# Altium PCB Printing.PcbDoc (part 4 of 5)
Units mil, origin at the board's own origin, x right, y up, seen from the top; angles counter-clockwise.
Board outline 7490 x 7700 mil, 4 copper layers (Top Layer, 5v/3.3V, 24V, Bottom Layer), stack 23.756 mil thick; 442 components, 334 nets, 1379 pads, 508 vias.
Unrouted connection lines stored in the file: 151.
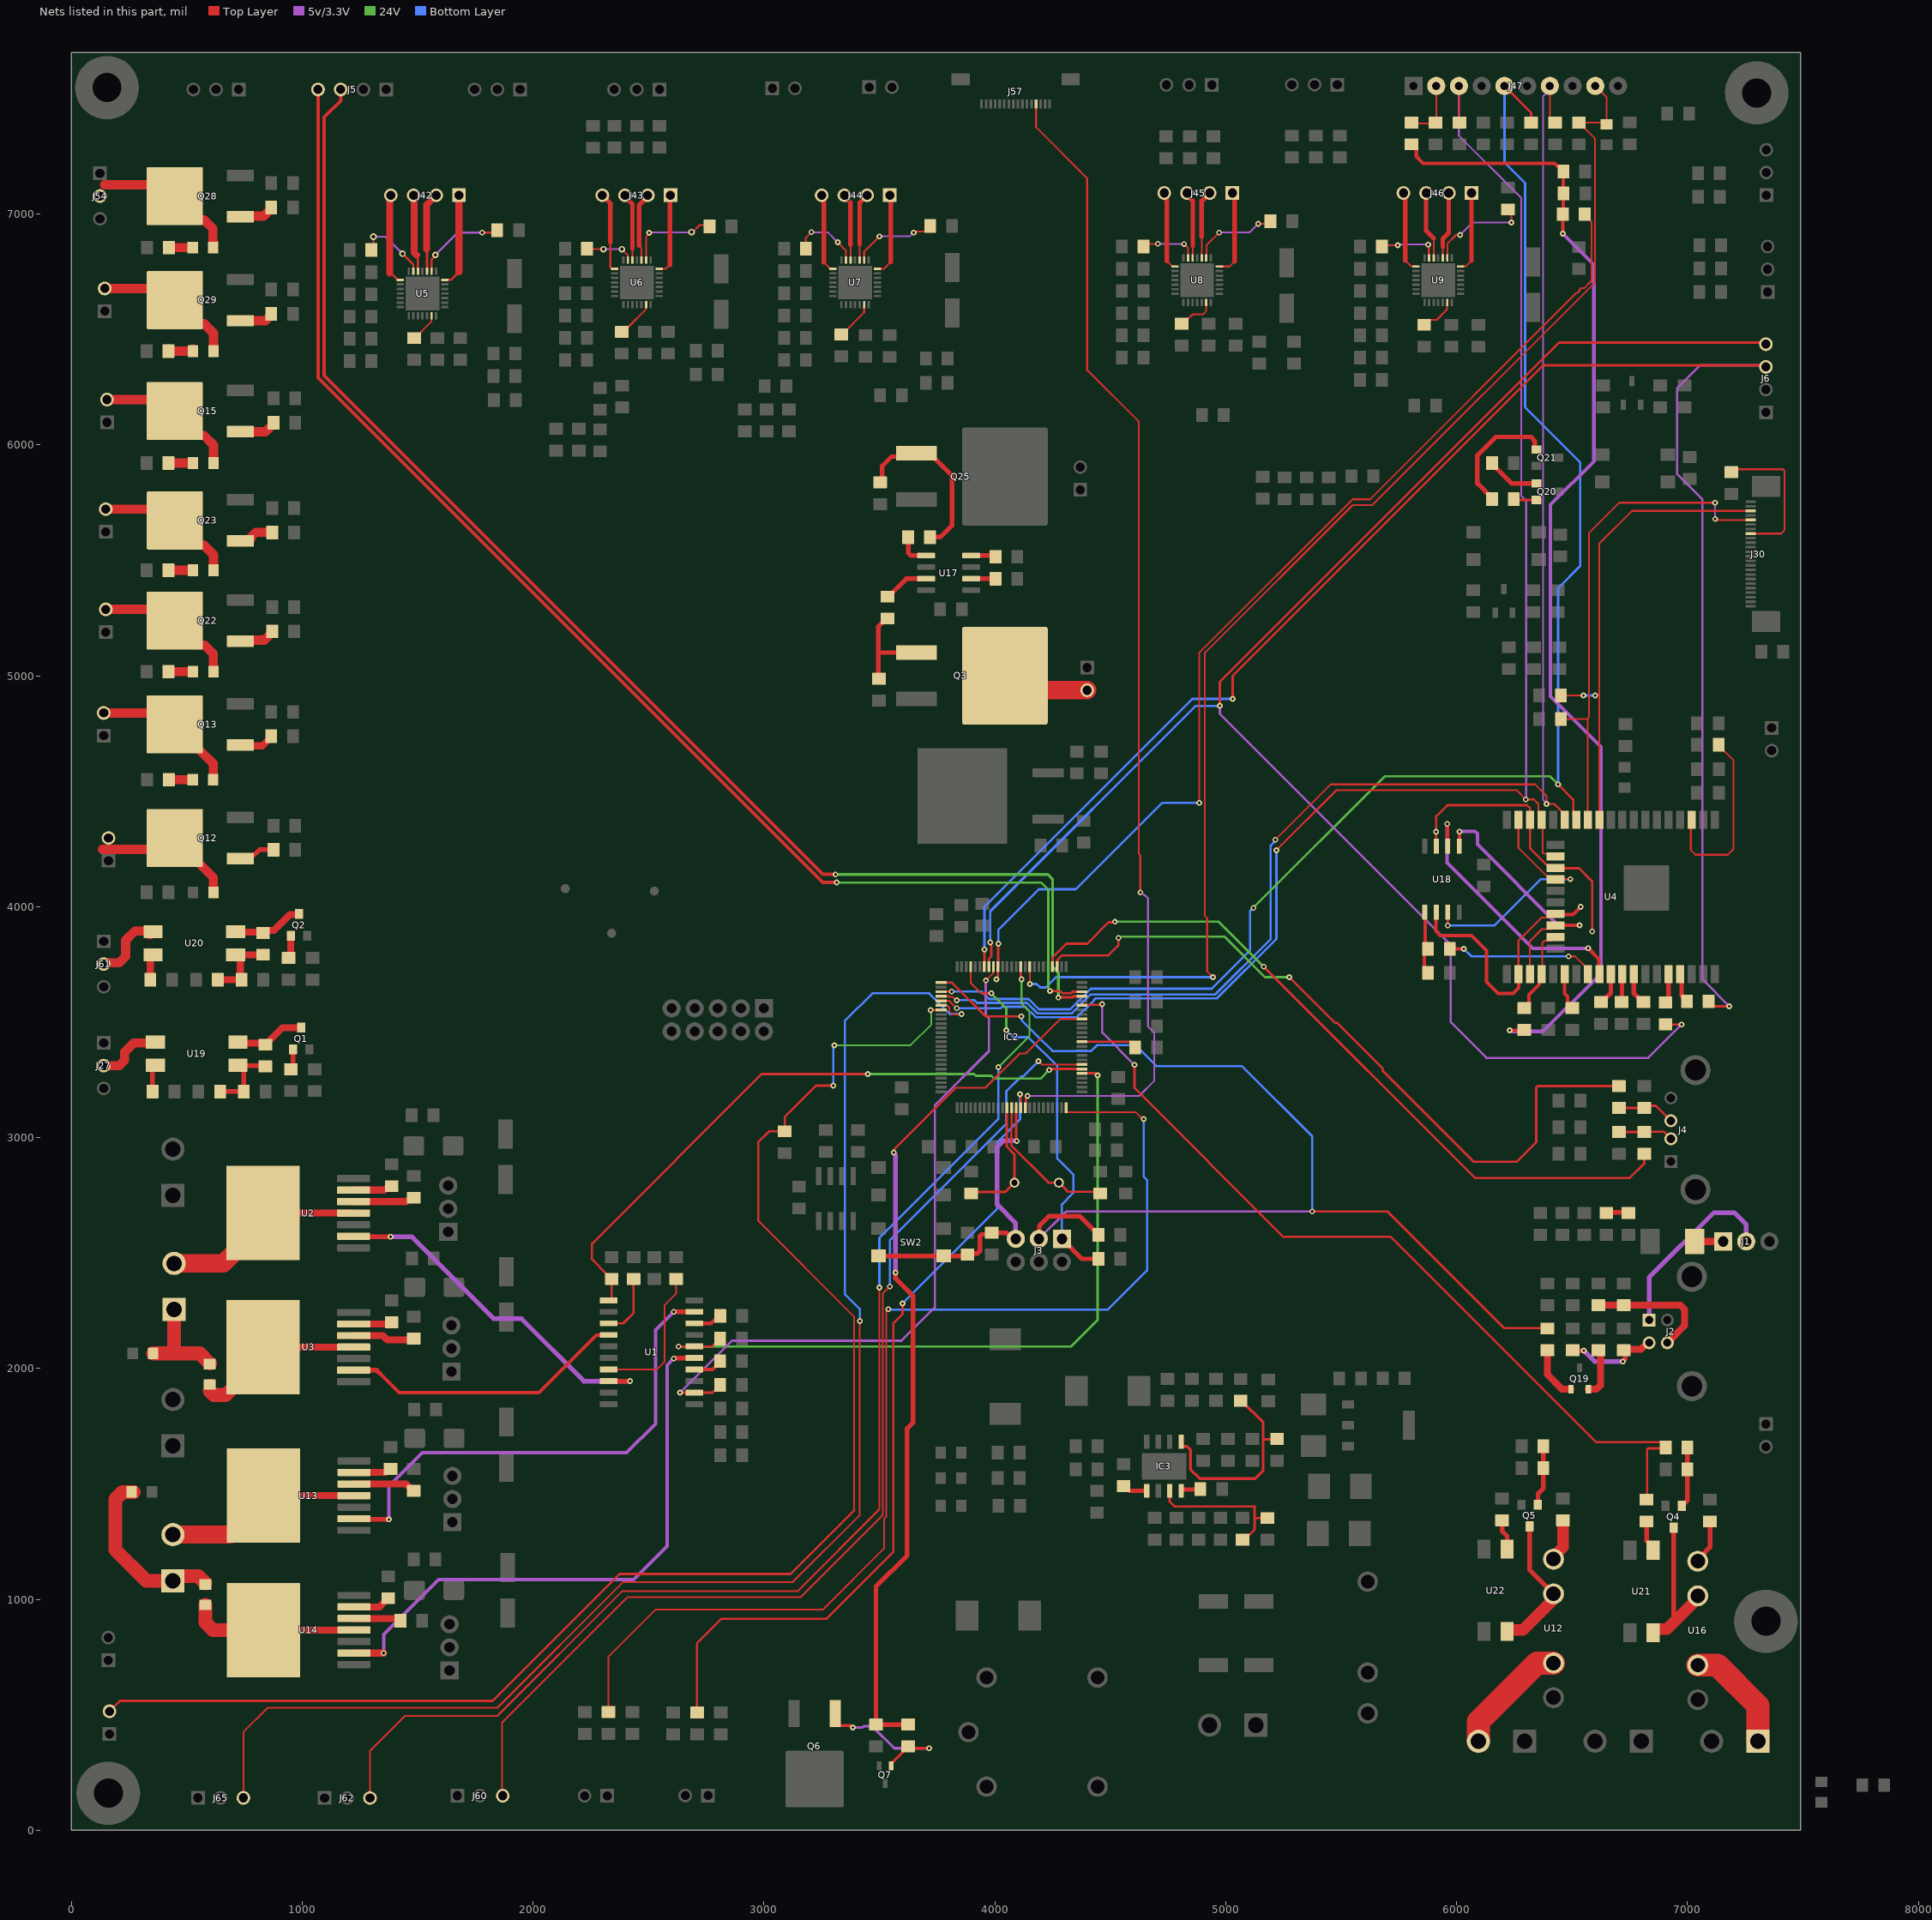
[diagram p6: the nets of this part, all layers, seen from the top]

## Via types
v1: diameter 25, hole 12, Top Layer to Bottom Layer, tented both sides, 482 vias
v2: diameter 19.68, hole 11.81, Top Layer to Bottom Layer, 15 vias
v3: diameter 28, hole 14, Top Layer to Bottom Layer, tented both sides, 9 vias
v4: diameter 24, hole 12, Top Layer to Bottom Layer, tented both sides, 2 vias

## Nets (pads, with @x,y where several pads share a name; then routed paths per layer and width w, separated by ;. In a path a pad name is that pad's centre, name@x,y a point inside that pad or via, vN(x,y) a via of type N, cw(c..) or ccw(c..) an arc to the next point about the centre after c; other vN are vias at no path point) (continued)
NetD18_K: D18.K J28.2 Q12.TAB | length 599
  Top Layer w40: 135,4248.43 140,4248.43 398.57,4248.43 Q12.TAB@448.01,4297.87 ; Q12.TAB@473.47,4268.47 615,4126.94 D18.K@615,4087.29 ; D18.K@615,4062 D18.K@615,4087.29 ; D18.K@615.29,4087 D18.K@615,4087.29
NetD19_A: D19.A R185.1 | length 103.5
  Top Layer w40: R185.1@422.24,4550 D19.A@525.71,4550
NetD19_K: D19.K J29.2 Q13.TAB | length 618.4
  Top Layer w40: J29.2@140,4839.21 398.56,4839.21 Q13.TAB@448.01,4789.77 448.01,4785.83 590.41,4643.43 591.57,4643.43 615,4620 615,4570.71 D19.K@614.29,4570
NetD20_A: D20.A R193.1 | length 106.5
  Top Layer w40: R193.1@420.24,5922 D20.A@526.71,5922
NetD20_K: D20.K J31.2 Q15.TAB | length 612.7
  Top Layer w40: J31.2@154.23,6196.76 398.41,6196.76 Q15.TAB@448.01,6147.17 448.01,6143.23 550.06,6041.18 573.82,6041.18 615.29,5999.71 D20.K@615.29,5932
NetD21_A: D21.A R194.1 | length 106.5
  Top Layer w40: R194.1@420.24,5018.35 D21.A@526.71,5018.35
NetD21_K: D21.K J32.2 Q22.TAB | length 601.3
  Top Layer w40: J32.2@172.66,5288.1 399.19,5288.1 Q22.TAB@448.01,5239.28 448.01,5235.35 550.06,5133.3 576.7,5133.3 615,5095 D21.K@615,5018.35
NetD22_A: D22.A R195.1 | length 103.5
  Top Layer w40: R195.1@422.24,6855 D22.A@525.71,6855
NetD22_K: D22.K J54.2 Q28.TAB | length 609.2
  Top Layer w40: 144.23,7127.39 398.8,7127.39 Q28.TAB@448.01,7078.18 448.01,7077.05 550.06,6975 575,6975 612.65,6937.35 612.65,6879.64 D22.K@615.29,6877
NetD23_A: D23.A R196.1 | length 106.9
  Top Layer w40: R196.1@420.24,6417 R196.1@420.74,6416.5 ; R196.1@420.74,6406.5 D23.A@526.21,6406.5 ; D23.A@526.21,6416.5 D23.A@526.71,6416
NetD23_K: D23.K J52.2 Q29.TAB | length 620.3
  Top Layer w40: J52.2@144.23,6677.87 398.01,6677.87 Q29.TAB@448.01,6627.87 448.01,6627.05 550.06,6525 575,6525 615.29,6484.71 D23.K@615.29,6416
NetD24_A: D24.A R197.1 | length 106.5
  Top Layer w40: R197.1@420.24,5457 D24.A@526.71,5457
NetD24_K: D24.K J33.2 Q23.TAB | length 617.9
  Top Layer w40: J33.2@149.23,5722.24 399.19,5722.24 Q23.TAB@448.01,5673.42 448.01,5669.48 550.06,5567.43 572.57,5567.43 615.29,5524.71 D24.K@615.29,5457
NetF1_2: F1.2 J1.1 | length 125.7
  Top Layer w30: F1.2@7033.33,2551.67 F1.2@7031.65,2550 J1.1@7155,2550
NetJ1_2: J1.2 J2.1 | length 816.6
  5v/3.3V w20: J2.1@6834.26,2209.43 6834.26,2394.26 7115,2675 7203.28,2675 7255,2623.28 J1.2@7255,2550
NetJ11_2: J11.2 Q3.TAB | length 382.2
  Top Layer w80: Q3.TAB@4043.86,5000.6 4106.89,4937.57 J11.2@4400,4937.57
NetJ12_1: J12.1 U16.2 | length 487.5
  Top Layer w100: U16.2@7045,715 7130,715 7305,540 J12.1@7305,385
NetJ19_2: J19.2 U12.2 | length 515.2
  Top Layer w100: J19.2@6095,385 6095,470 6348.24,723.24 6419.24,723.24 U12.2@6420,724
NetJ27_2: J27.2 U19.3 | length 286.6
  Top Layer w40: J27.2@140,3311.57 206.57,3311.57 230,3335.01 230,3370 270,3410 360.13,3410 U19.3@363.83,3413.7
NetJ30_17: J30.17 R32.1 | length 656.4
  Top Layer w8: R32.1@7190,5872.24 7212.76,5895 7415.31,5895 7420,5890.31 7420,5630 7406.46,5616.46 J30.17@7273.76,5616.46
  Top Layer w10: R32.1@7188,5880.24 R32.1@7190,5882.24
NetJ42_1: J42.1 U5.21 | length 407.9
  Top Layer w10: U5.21@1617.09,6715.46 1644.54,6715.46 1678.9,6749.82
  Top Layer w30: 1678.9,6749.82 J42.1@1678.9,7081.72
NetJ42_2: J42.2 U5.24 | length 351.1
  Top Layer w10: 1539.41,6848.33 1540.31,6847.43 U5.24@1540.31,6752.86
  Top Layer w30: 1539.41,6848.33 1539.41,7040.65 J42.2@1583.88,7085.13
NetJ42_3: J42.3 U5.26 | length 344.6
  Top Layer w10: 1489.41,6828.33 1500.63,6817.11 1500.63,6753.17 U5.26@1500.94,6752.86
  Top Layer w30: J42.3@1482.05,7081.72 1484.41,7079.35 1484.41,6833.33 1495.02,6822.72
NetJ42_4: J42.4 U5.1 | length 395.6
  Top Layer w10: 1379.41,6744.79 1384.21,6744.79 1413.54,6715.46 U5.1@1424.17,6715.46
  Top Layer w30: 1379.41,6744.79 1379.41,7077.5 J42.4@1383.62,7081.72
NetJ43_1: J43.1 U6.21 | length 355.1
  Top Layer w8: U6.21@2546.3,6763.21 2574.29,6763.21 2592.41,6781.33
  Top Layer w20: 2592.41,6781.33 2592.41,7079.01 J43.1@2595.12,7081.72
NetJ43_2: J43.2 U6.24 | length 300.9
  Top Layer w8: 2459.41,6863.33 2469.53,6853.21 U6.24@2469.53,6800.61 U6.24@2469.41,6800.73 ; J43.2@2496.69,7077.1 J43.2@2496.69,7081.72
  Top Layer w20: 2459.41,6863.33 2459.41,7039.81 J43.2@2496.69,7077.1
NetJ43_3: J43.3 U6.26 | length 294.3
  Top Layer w8: U6.26@2430.16,6800.61 2430.16,6851.33
  Top Layer w20: J43.3@2398.27,7081.72 2398.27,7075.05 2430.16,7043.16 2430.16,6851.33
NetJ43_4: J43.4 U6.1 | length 348.3
  Top Layer w8: 2334.41,6879.33 2334.41,6769.21 2339.1,6764.53 2352.07,6764.53 U6.1@2353.39,6763.21
  Top Layer w20: J43.4@2299.84,7081.72 2334.41,7047.15 2334.41,6879.33
NetJ44_1: J44.1 U7.21 | length 361
  Top Layer w8: U7.21@3491.1,6763.21 3519.29,6763.21 3549.41,6793.33 ; J44.1@3545.04,7081.72 J44.1@3549.41,7077.35
  Top Layer w20: 3549.41,6793.33 J44.1@3549.41,7077.35
NetJ44_2: J44.2 U7.24 | length 294.5
  Top Layer w8: U7.24@3414.33,6800.61 3414.33,6870.33
  Top Layer w20: 3414.33,6870.33 3414.33,7049.43 J44.2@3446.61,7081.72
NetJ44_3: J44.3 U7.26 | length 292.2
  Top Layer w8: U7.26@3374.96,6800.61 3374.96,6868.33
  Top Layer w20: J44.3@3348.19,7081.72 3348.19,7076.31 3374.96,7049.54 3374.96,6868.33
NetJ44_4: J44.4 U7.1 | length 344.8
  Top Layer w8: J44.4@3249.76,7081.72 J44.4@3259.41,7072.07 ; 3259.41,6791.36 3287.56,6763.21 U7.1@3298.19,6763.21
  Top Layer w20: 3259.41,6791.36 J44.4@3259.41,7072.07
NetJ45_1: J45.1 U8.21 | length 375
  Top Layer w8: U8.21@4972.8,6773.21 5016.29,6773.21 5038.41,6795.33 ; J45.1@5029.09,7091.72 J45.1@5038.41,7082.4
  Top Layer w20: 5038.41,6795.33 J45.1@5038.41,7082.4
NetJ45_2: J45.2 U8.24 | length 295.5
  Top Layer w8: U8.24@4896.02,6810.61 4896.02,6902.33
  Top Layer w20: 4896.02,6902.33 4896.02,7057.07 J45.2@4930.67,7091.72
NetJ45_3: J45.3 U8.26 | length 291.8
  Top Layer w8: U8.26@4856.65,6810.61 4857.41,6811.37 4857.41,6862.33
  Top Layer w20: J45.3@4832.24,7091.72 4832.24,7081.58 4857.41,7056.42 4857.41,6862.33
NetJ45_4: J45.4 U8.1 | length 347.5
  Top Layer w8: J45.4@4733.82,7091.72 J45.4@4745.78,7079.75 ; 4745.78,6796.96 4767.94,6774.8 4767.94,6774.53 4769.25,6773.21 U8.1@4779.88,6773.21
  Top Layer w20: 4745.78,6796.96 4745.78,7060.32 4741.35,7064.75 4741.35,7075.32 J45.4@4745.78,7079.75
NetJ46_1: J46.1 U9.21 | length 351.5
  Top Layer w8: U9.21@6016.89,6773.21 6017.43,6773.76 6039.83,6773.76 6064.92,6798.84
  Top Layer w20: 6064.92,6798.84 J46.1@6064.92,7091.72
NetJ46_2: J46.2 U9.24 | length 292
  Top Layer w8: U9.24@5940.12,6810.61 5940.12,6859.33
  Top Layer w20: 5940.12,6859.33 5940.12,6893.04 5966.5,6919.42 J46.2@5966.5,7091.72
NetJ46_3: J46.3 U9.26 | length 294.6
  Top Layer w8: U9.26@5900.75,6810.61 5900.75,6894.99
  Top Layer w20: J46.3@5868.07,7091.72 5868.07,6927.67 5900.75,6894.99
NetJ46_4: J46.4 U9.1 | length 352.4
  Top Layer w8: J46.4@5769.65,7091.72 J46.4@5778.41,7082.95 ; 5778.41,6799.33 5803.53,6774.21 5822.97,6774.21 U9.1@5823.98,6773.21
  Top Layer w20: 5778.41,6799.33 J46.4@5778.41,7082.95
NetJ47_2: J47.2 R29.1 R175.2 | length 267.3
  Top Layer w8: R175.2@5805.35,7392.68 5908.61,7392.68 5912.16,7396.22 J47.2@5912.16,7555.28
NetJ61_2: J61.2 U20.3 | length 347.3
  Top Layer w40: J61.2@140,3751.57 145.62,3757.19 207.19,3757.19 235,3785 235,3855 275,3895 350.6,3895 U20.3@353.83,3891.77 U20.3@340.49,3878.42 ; U20.3@330.37,3891.77 U20.3@343.17,3891.77
NetL2_2: L2.2 R13.1 | length 105.9
  Top Layer w20: R13.1@6638.04,2675.96 L2.2@6743.94,2675.96
NetP2_1: P2.1 SB1.1 SB2.2 | length 455.7
  Top Layer w50: SB1.1@600,2019.29 SB1.1@600,2021.06
  Top Layer w60: SB2.2@354.29,2065 445,2065 ; P2.1@445,2255 445,2065 ; SB1.1@600,2021.06 556.06,2065 445,2065
NetP2_2: P2.2 U2.4 U2.8 | length 1088.1
  Top Layer w30: U2.8@829.79,2672.68 U2.4@1221.91,2672.68
  Top Layer w40: U2.8@732.01,2529.04 738.23,2535.26 829.79,2626.82 U2.8@829.79,2672.68
  Top Layer w50: U2.8@721.52,2518.55 U2.8@721.52,2551.98
  Top Layer w78.74: P2.2@435,2455 657.97,2455 U2.8@721.52,2518.55
  Top Layer w100: U2.8@721.52,2551.98 829.79,2660.24 U2.8@829.79,2672.68
NetP5_1: P5.1 SB3.1 SB4.2 | length 773.5
  Top Layer w50: P5.1@440,1080 P5.1@460,1100 ; SB3.1@580,1064.29 SB3.1@580,1070.71
  Top Layer w60: SB4.2@270,1464.41 221.77,1464.41 190.12,1432.76 190.12,1214.88 325,1080 P5.1@430,1080 ; P5.1@460,1100 550.71,1100 SB3.1@580,1070.71
NetP5_2: P5.2 U13.4 U13.8 | length 869
  Top Layer w30: U13.8@688.49,1280 831.76,1423.27 U13.8@831.76,1449.06 U13.4@1223.88,1449.06
  Top Layer w78.74: P5.2@440,1280 U13.8@688.49,1280
NetQ1_1: Q1.1 R62.2 | length 89.8
  Top Layer w20: R62.2@950.84,3296.01 960.57,3305.73 Q1.1@960.57,3381.76
NetQ1_3: Q1.3 R157.2 U19.2 | length 319.2
  Top Layer w30: U19.2@721.32,3413.7 726.82,3408.2 R157.2@849.65,3408.2 ; R157.2@840.21,3402.7 844.15,3402.7 854.74,3413.29 854.74,3417.23 913.76,3476.24 Q1.3@996,3476.24
NetQ2_1: Q2.1 R133.2 | length 103.7
  Top Layer w30: R133.2@925.45,3778.01 R133.2@929.39,3778.01 ; R133.2@940.84,3778.01 950.57,3787.73 Q2.1@950.57,3873.76
NetQ2_3: Q2.3 R158.2 U20.2 | length 301.1
  Top Layer w30: U20.2@700.65,3891.77 703.19,3889.22 R158.2@811.09,3889.22 ; R158.2@830.21,3886.67 840.8,3897.26 877.26,3897.26 945.88,3965.88 983.63,3965.88 Q2.3@986,3968.24
NetQ3_1: Q3.1 R27.2 R31.2 | length 436.6
  Top Layer w20: R31.2@3498,4987.24 3495,4990.24 3495,5212.69 3531.06,5248.76 R27.2@3535,5248.76 ; 3505,5101 Q3.1@3660,5101
NetQ4_1: Q4.1 R176.2 R177.1 | length 265.2
  Top Layer w20: Q4.1@6976,1405 6976,1408.94 6983.72,1416.65 6987.65,1416.65 7000.24,1429.24 R177.1@7000.24,1562 ; R177.1@7000.24,1563 6999.24,1564 6999.24,1657 R176.2@7000.24,1658
NetQ4_3: Q4.3 U16.3 U21.4 | length 692.7
  Top Layer w20: 6940.57,901.57 Q4.3@6940.57,1310.51
  Top Layer w50: U21.4@6851,855.26 6851,867.06 6854.35,870.41 6911.41,870.41 6941.57,900.57 U16.3@7060,1019
NetQ5_1: Q5.1 R189.2 R190.1 | length 234.9
  Top Layer w20: Q5.1@6352.43,1410 6352.43,1457.43 6376.24,1481.24 6376.24,1540 R189.2@6376.24,1635
NetQ5_3: Q5.3 U12.3 U22.4 | length 612.9
  Top Layer w20: Q5.3@6317,1315.51 6317,1127 6412.24,1031.76 U12.3@6412.24,1016.24
  Top Layer w50: U22.4@6219,860.26 6219,864.06 6222.35,867.41 6287.41,867.41 6412.24,992.24 U12.3@6412.24,1016.24
NetQ6_1: Q6.1 Q7.1 R123.2 | length 703.2
  Top Layer w12: Q6.1@3308.43,505 3308.43,471.78 3327.03,453.18 3373.31,453.18 3381.48,445 v1(3385,445) ; Q7.1@3550.59,278.19 3550.59,287.83 3601.47,338.72 3601.47,343.17 3621.06,362.76 R123.2@3625,362.76 3632.76,355 v1(3715,355)
  5v/3.3V w12: v1(3385,445) 3426.76,445 3431.76,450 3470,450 3565,355 v1(3715,355)
NetQ12_1: Q12.1 R63.2 | length 156.9
  Top Layer w20: Q12.1@720.53,4208.65 Q12.1@741.47,4208.65 ; Q12.1@765.92,4223.26 Q12.1@780.53,4208.65 ; Q12.1@775.92,4208.65 814.35,4247.08 R63.2@875.33,4247.08
NetQ13_1: Q13.1 R64.2 | length 155.2
  Top Layer w30: Q13.1@731.47,4700.55 735.03,4697 826.91,4697 865.33,4735.43 R64.2@865.33,4739.36
NetQ15_1: Q15.1 R70.2 | length 152.7
  Top Layer w40: Q15.1@741.47,6057.96 742.43,6057 840.29,6057 875.33,6092.04 R70.2@875.33,6095.98
NetQ19_1: Q19.1 R4.2 | length 234
  Top Layer w30: R4.2@6393,2078.76 6393,1974 6457.26,1909.74 Q19.1@6495.6,1909.74
NetQ19_2: Q19.2 R5.2 | length 214.3
  Top Layer w30: Q19.2@6570.4,1909.74 6605.43,1909.74 6623,1927.31 6623,2078.03 R5.2@6620.35,2080.69
NetQ20_1: Q20.1 R135.2 | length 231.3
  Top Layer w20: R135.2@6153.54,5921.87 6153.54,5917.94 6238.58,5832.9 Q20.1@6345.67,5832.9
NetQ21_1: Q21.1 R137.2 | length 544.2
  Top Layer w20: R137.2@6153.62,5766.28 6153.62,5770.22 6090,5833.84 6090,5955 6170,6035 6322.15,6035 6338.61,6018.54 6338.61,5987.99 Q21.1@6345.67,5980.93
NetQ22_1: Q22.1 R71.2 | length 153.9
  Top Layer w40: Q22.1@736.47,5150.07 741.08,5154.68 836.12,5154.68 870.33,5188.89 R71.2@870.33,5192.83
NetQ23_1: Q23.1 R72.2 | length 154.7
  Top Layer w40: Q23.1@736.47,5584.2 770.92,5584.2 775.53,5588.81 775.53,5598.02 798.96,5621.45 R72.2@870.33,5621.45
NetQ25_1: Q25.1 R164.2 R168.2 | length 771.4
  Top Layer w20: R168.2@3512,5835 3512,5909 3552.82,5949.82 3645.78,5949.82 Q25.1@3660,5964.03 3717.09,5964.03 3815,5866.12 3815,5652 3764,5601 R164.2@3719.24,5601
NetQ28_1: Q28.1 R161.2 | length 152.4
  Top Layer w40: Q28.1@731.47,6988.97 734.5,6992 833.09,6992 865.33,7024.24 R161.2@865.33,7028.18
NetQ29_1: Q29.1 R159.2 | length 148.2
  Top Layer w40: Q29.1@731.47,6538.65 840.29,6538.65 865.33,6563.69 R159.2@865.33,6567.63
NetR3_1: IC2.37 R3.1 | length 242.8
  Top Layer w10: IC2.37@4377.73,3415.3 4586.39,3415.3 4607.76,3393.94 R3.1@4607.76,3390
NetR22_2: R22.2 U17.2 | length 105.3
  Top Layer w20: U17.2@3897.44,5421 R22.2@4002.76,5421
NetR23_2: R23.2 U17.4 | length 97.8
  Top Layer w20: U17.4@3914.12,5521 3997.76,5521 R23.2@4007.76,5511
NetR34_1: IC3.3 R34.1 R120.2 | length 652
  Top Layer w10: IC3.3@4756.99,1473.84 4756.99,1423.01 4777.5,1402.5 5125,1402.5 ; R34.1@5072.5,1258.01 5093.09,1278.6 5102.1,1278.6 5125,1301.5 5125,1350.75 ; 5125,1400 5125,1350.75 ; R120.2@5180,1352.24 5126.49,1352.24 5125,1350.75
NetR35_1: R35.1 U19.4 | length 119.2
  Top Layer w20: R35.1@351.63,3199.55 351.63,3301.5 U19.4@363.83,3313.7
NetR36_1: IC3.5 R36.1 R122.2 | length 899.8
  Top Layer w12: IC3.5@4807.5,1682.5 4807.5,1668.31 4813.31,1662.5 4832.5,1662.5 4847.5,1647.5 4847.5,1562.5 4887.5,1522.5 5127.5,1522.5 5162.5,1557.5 5162.5,1692.5 ; R36.1@5064.67,1859.67 5068.6,1859.67 5162.5,1765.77 5162.5,1692.5 ; R122.2@5222.5,1694.74 5220.26,1692.5 5162.5,1692.5
NetR37_1: R37.1 U20.4 | length 112.9
  Top Layer w30: R37.1@341.63,3683.91 341.63,3779.56 U20.4@353.83,3791.77
NetR38_2: R38.2 R65.2 R157.1 U19.1 | length 334.2
  Top Layer w20: R38.2@644.54,3199.55 R65.2@746.91,3199.55 746.91,3295.36 U19.1@731.31,3310.96 ; U19.1@728.56,3313.7 U19.1@731.31,3310.96 ; R157.1@840.21,3308.21 837.47,3310.96 U19.1@731.31,3310.96
NetR39_2: R39.2 R69.2 R158.1 U20.1 | length 312.4
  Top Layer w30: R39.2@634.54,3683.91 634.74,3684.11 726.31,3684.11 726.51,3684.31 R69.2@736.91,3684.31 731.71,3689.5 731.71,3778.42 718.36,3791.77 U20.1@711.32,3791.77 ; U20.1@726,3791.97 813.43,3791.97 R158.1@813.64,3792.18
NetR45_2: R45.2 U2.6 | length 172.4
  Top Layer w30: U2.6@1221.91,2772.68 1355.17,2772.68 1361.62,2779.14 1376.68,2779.14 R45.2@1387.27,2789.73
NetR54_2: R54.2 U4.35 | length 212.4
  Top Layer w8: R54.2@6975,3616.69 6997.76,3593.94 R54.2@6997.76,3590 7000.84,3590 7001.81,3605.53 ccw(c6980.86,3606.9) 7001.85,3606.2 R54.2@6975,3616.69
  Top Layer w20: U4.35@6968.41,3707.7 6969.14,3706.97 cw(c6955,3692.83) 6975,3692.83 6975,3621.04 ccw(c6995,3621.04) 6980.86,3606.9 R54.2@6997.76,3590
NetR55_1: R55.1 U4.27 | length 658.1
  Top Layer w8: v1(6485,3785) 6513.75,3785 6547.13,3751.63 6547.13,3750.64 6567.91,3729.85 U4.27@6567.91,3705.79
  Top Layer w15: R55.1@5970.96,3817.87 v1(6031.72,3817.87)
  Bottom Layer w10: v1(6031.72,3817.87) 6064.58,3785 v1(6485,3785)
NetR56_2: R56.2 U4.34 | length 128.3
  Top Layer w8: R56.2@6905,3585 R56.2@6918.41,3598.41
  Top Layer w20: R56.2@6918.41,3598.41 U4.34@6918.41,3707.7
NetR90_2: R90.2 U5.13 | length 130.2
  Top Layer w8: R90.2@1484.41,6463.33 1488.35,6463.33 1558.69,6533.67 1558.69,6558.63 U5.13@1560,6559.94
NetR91_2: R91.2 U6.13 | length 164.8
  Top Layer w8: R91.2@2384.41,6490.58 2406,6512.17 2413.24,6512.17 2488.27,6587.19 2488.27,6606.76 U6.13@2489.21,6607.7
NetR94_2: R94.2 U5.27 | length 333.7
  Top Layer w8: R94.2@1297.8,6824.51 1308.41,6835.13 v3(1308.41,6902.33) ; v3(1434.41,6828.33) 1481.26,6781.48 U5.27@1481.26,6752.86
  5v/3.3V w8: v3(1308.41,6902.33) 1360.41,6902.33 v3(1434.41,6828.33)
NetR95_2: R95.2 U5.23 | length 383.5
  Top Layer w10: U5.23@1560,6752.86 1560.31,6753.17 1560.31,6804.24 v3@1574.41,6818.33 ; v1(1778.81,6920.33) 1834.17,6920.33 R95.2@1844.17,6930.33
  5v/3.3V w10: v3(1576.41,6823.33) 1673.41,6920.33 v1(1778.81,6920.33)
NetR96_2: R96.2 U6.27 | length 210.2
  Top Layer w8: R96.2@2233.46,6850.1 2235.24,6848.33 v3(2304.41,6848.33) ; v3(2384.41,6848.33) 2409.16,6823.58 2409.16,6801.93 U6.27@2410.47,6800.61
  5v/3.3V w8: v3(2304.41,6848.33) v3(2384.41,6848.33)
NetR97_2: R97.2 U6.23 | length 401.7
  Top Layer w8: U6.23@2489.21,6800.61 2489.21,6901.53 2502.41,6914.73 v1(2502.41,6919.33) ; v3(2686.41,6922.33) 2691.41,6922.33 2721.41,6952.33 2759.17,6952.33 R97.2@2764.17,6947.33
  5v/3.3V w8: v1(2502.41,6919.33) 2503.91,6920.83 2684.91,6920.83 v3(2686.41,6922.33)
NetR100_2: R100.2 U7.13 | length 172.8
  Top Layer w8: R100.2@3334.45,6478.41 3338.39,6478.41 3434.02,6574.04 U7.13@3434.02,6607.7
NetR101_2: R101.2 U8.13 | length 166.8
  Top Layer w8: R101.2@4809.41,6525.58 4831,6547.17 4838.24,6547.17 4857.54,6566.46 4902.54,6566.46 4915.71,6579.63 U8.13@4915.71,6617.7
NetR104_2: R104.2 U7.27 | length 302.7
  Top Layer w8: R104.2@3181.65,6853.33 3181.65,6898.06 v1(3205.16,6921.56) ; v1(3319.41,6878.33) 3355.28,6842.46 U7.27@3355.28,6800.61
  5v/3.3V w8: v1(3205.16,6921.56) 3276.18,6921.56 v1(3319.41,6878.33)
NetR105_2: R105.2 U7.23 | length 352.5
  Top Layer w8: U7.23@3434.02,6800.61 3434.02,6837.53 v1(3500.12,6903.62) ; v1(3648.41,6920.33) 3653.01,6920.33 3657.76,6925.08 3699.85,6925.08 R105.2@3709.37,6934.6
  5v/3.3V w8: v1(3500.12,6903.62) 3630.47,6903.62 3647.17,6920.33 v1(3648.41,6920.33)
NetR106_2: R106.2 U8.27 | length 248.7
  Top Layer w8: R106.2@4644.45,6860.1 4657.68,6873.33 4659.68,6871.33 v1(4706.41,6871.33) ; v1(4819.41,6870.33) 4836.97,6852.77 U8.27@4836.97,6810.61
  5v/3.3V w8: v1(4706.41,6871.33) 4706.91,6870.83 4818.91,6870.83 v1(4819.41,6870.33)
NetR107_2: R107.2 U8.23 | length 375.6
  Top Layer w8: U8.23@4915.71,6810.61 4917.02,6811.93 4917.02,6865.83 4971.41,6920.22 v1(4971.41,6920.33) ; v1(5140.41,6958.33) 5182.92,6958.33 R107.2@5193.92,6969.33
  5v/3.3V w8: v1(4971.41,6920.33) 5102.41,6920.33 v1(5140.41,6958.33)
NetR109_2: R109.2 U9.13 | length 158.2
  Top Layer w8: R109.2@5859.41,6520.58 5881,6542.17 5914.24,6542.17 5958.49,6586.41 5958.49,6616.39 U9.13@5959.8,6617.7
NetR111_2: R111.2 U9.27 | length 265.3
  Top Layer w8: R111.2@5676.73,6855.1 5686.63,6865 v1(5745,6865) ; v1(5877.25,6868.33) 5879.75,6865.83 5879.75,6811.93 U9.27@5881.06,6810.61
  5v/3.3V w8: v1(5745,6865) 5748.33,6868.33 v1(5877.25,6868.33)
NetR112_2: R112.2 U9.23 | length 441.6
  Top Layer w8: U9.23@5959.8,6810.61 5961.12,6811.93 5961.12,6873.04 5997.59,6909.51 6015.19,6909.51 v1(6015.71,6910.03) ; R112.2@6222.67,7020.17 6239.67,7003.17 6237.67,7001.17 v1(6237.67,6963.41)
  5v/3.3V w8: v1(6015.71,6910.03) 6069.09,6963.41 v1(6237.67,6963.41)
NetR121_2: IC3.4 R121.2 | length 84.8
  Top Layer w20: IC3.4@4806.99,1473.86 4808.8,1475.67 4888.43,1475.67 R121.2@4890.26,1477.5
NetR125_2: R125.2 U1.13 | length 274.3
  Top Layer w10: U1.13@2327,2195.26 2390.26,2195.26 2435,2240 R125.2@2435,2387.76
NetR128_2: R128.2 U1.17 | length 636.1
  Top Layer w8: U1.17@2327,1995.26 2327.26,1995 2535,1995 2570,2030 2570,2275 2620,2325 R128.2@2620,2387.76
NetR129_2: R129.2 U13.5 | length 270.5
  Top Layer w30: U13.5@1223.88,1499.06 1449,1499.06 1478.33,1469.73 R129.2@1482.27,1469.73
NetR130_2: R130.2 U13.6 | length 164.9
  Top Layer w30: U13.6@1223.88,1549.06 1362.66,1549.06 1378.33,1564.73 R130.2@1382.27,1564.73
NetR131_2: R131.2 U14.6 | length 166.3
  Top Layer w30: U14.6@1223.88,966.98 1334.51,966.98 1357.74,990.2 1357.74,994.14 1368.33,1004.73 R131.2@1372.27,1004.73
NetR132_2: R132.2 U14.5 | length 205.3
  Top Layer w30: U14.5@1223.88,916.98 1224.43,916.42 1415.57,916.42 R132.2@1425.02,906.98
NetR136_2: R136.2 U4.3 | length 816.6
  Top Layer w8: U4.3@7018.41,4376.99 7015,4373.58 7015,4245 7035,4225 7175,4225 7200,4250 7200,4633.27 7135.72,4697.55 R136.2@7135.72,4701.49 R136.2@7136.72,4700.49
NetR138_2: R138.2 U4.25 | length 160.7
  Top Layer w15: U4.25@6467.91,3705.79 6467.64,3705.51 6467.64,3624.8 6480.9,3611.54 6480.9,3578.96 6498.99,3560.87 R138.2@6501.65,3560.87
NetR163_1: R163.1 U21.1 | length 116.6
  Top Layer w20: R163.1@6823,1317.76 6823,1253.54 6851,1225.54 U21.1@6851,1212.74
NetR165_1: R165.1 U22.1 | length 133.4
  Top Layer w20: R165.1@6197,1342 6197,1296 6219,1274 U22.1@6219,1217.74
NetR166_1: R166.1 U4.23 | length 382.3
  Top Layer w8: U4.23@6367.91,3705.79 6370.64,3708.51 6370.64,3841.8 6381.55,3852.72 6414.72,3852.72 U4.23@6428.43,3866.43
  Top Layer w15: R166.1@6293.66,3560.87 6296.19,3560.87 6314.28,3578.96 6314.28,3619.44 6357.7,3662.86 6357.7,3695.57 U4.23@6367.91,3705.79
NetR171_1: R171.1 U4.30 | length 136
  Top Layer w10: R171.1@6720.6,3598.26 R171.1@6734.74,3598.26
  Top Layer w20: R171.1@6715,3587.24 6716.7,3588.95 6716.7,3706 U4.30@6718.41,3707.7
NetR172_1: R172.1 U4.31 | length 140
  Top Layer w20: U4.31@6768.41,3707.7 6768.41,3624.9 6806.06,3587.24 R172.1@6810,3587.24
NetR173_2: R173.2 U4.29 | length 140.7
  Top Layer w20: R173.2@6625,3587.24 6628.94,3587.24 6668.41,3626.72 U4.29@6668.41,3707.7
NetR174_1: IC2.66 R174.1 | length 4637.4
  Top Layer w8: v1(4006.75,3685.5) 4006.75,3690.1 4013.56,3696.91 IC2.66@4013.56,3740.11 ; v1(4885,4450) 4885,5100 5550,5765 5625,5765 6519.5,6659.5 6524.74,6659.5 6531.94,6666.69 6531.94,6671.94 6540,6680 6553.79,6680 6585,6711.21 6585,6966.06 6555,6996.06 R174.1@6555,7000
  Top Layer w10: IC2.66@4013.56,3740.11 4014.28,3740.83 4014.28,3839.28 v1(4015,3840)
  Bottom Layer w10: v1(4015,3840) 4015,3900 4190.5,4075.5 4350.5,4075.5 4725,4450 v1(4885,4450)
NetR179_2: R179.2 U1.4 | length 128.6
  Top Layer w15: U1.4@2699.04,1995.26 2777.63,1995.26 2810.19,2027.83 R179.2@2810.19,2031.76
NetR181_2: R181.2 U1.8 | length 130.9
  Top Layer w15: U1.8@2699.04,2195.26 2772.12,2195.26 2810.19,2233.34 R181.2@2810.19,2237.28
NetR182_2: R182.2 U2.5 | length 267.4
  Top Layer w30: U2.5@1221.91,2722.68 1450.17,2722.68 1456.62,2729.14 1471.68,2729.14 R182.2@1482.27,2739.73
NetR183_2: R183.2 U3.6 | length 153
  Top Layer w30: U3.6@1222.31,2192.37 1222.86,2192.92 1365.46,2192.92 R183.2@1372.27,2199.73
NetR184_2: R184.2 U3.5 | length 268.8
  Top Layer w30: U3.5@1222.31,2142.37 1349.79,2142.37 1368.18,2123.98 1368.29,2123.98 1464.6,2123.98 ccw(c1464.6,2153.98) 1481.47,2129.17 1482.21,2129.67 R184.2@1482.27,2129.73
NetR187_2: R187.2 U16.4 | length 183.7
  Top Layer w20: U16.4@7060,1169 7060,1188.09 7098,1226.09 R187.2@7098,1337
NetR188_2: R188.2 U12.4 | length 185
  Top Layer w50: U12.4@6420,1174 6420,1184.97 6461,1225.97 R188.2@6461,1342
NetR191_1: IC3.1 R191.1 | length 108.4
  Top Layer w20: R191.1@4557.5,1490.26 4561.44,1490.26 4581.79,1469.9 IC3.1@4657.5,1469.9
NetSB1_2: SB1.2 U3.4 U3.8 | length 771
  Top Layer w30: SB1.2@599.41,1930.12 600,1929.53 600,1902.57 ; U3.8@830.18,2046.5 U3.8@830.18,2092.37 U3.4@1222.31,2092.37
  Top Layer w50: SB1.2@598.82,1929.53 SB1.2@599.41,1930.12
  Top Layer w60: 600,1902.57 617.57,1885 668.68,1885 U3.8@830.18,2046.5
NetSB3_2: SB3.2 U14.4 U14.8 | length 720.6
  Top Layer w30: U14.8@831.76,866.98 U14.4@1211.24,866.98
  Top Layer w60: SB3.2@580,975.71 580,900 613.02,866.98 U14.8@831.76,866.98
NetU1_5: U1.5 U14.2 | length 2506.1
  Top Layer w20: v1@2614.02,2043.27 2616.02,2045.26 U1.5@2699.04,2045.26
  Top Layer w30: U14.2@1223.88,766.98 v1(1352.27,766.98)
  5v/3.3V w15: v1(1352.27,766.98) 1352.27,847.27 1590,1085 2435,1085 2580,1230 2580,2014.24 v1(2609.02,2043.27)
NetU1_9: U1.9 U13.2 | length 2166.4
  Top Layer w20: U13.2@1223.88,1349.06 1226.01,1346.93 1374.31,1346.93 v1(1375.27,1345.98) ; v1@2614.03,2245.26 U1.9@2699.04,2245.26
  5v/3.3V w15: v1(1375.27,1345.98) 1375.27,1490.27 1520,1635 2405,1635 2530,1760 2530,2166.24 v1(2609.02,2245.27)
NetU1_14: U1.14 U3.2 | length 1248.7
  Top Layer w15: 1335.36,1978.98 1419.34,1895 2025,1895 2274.9,2144.9 2326.63,2144.9 U1.14@2327,2145.26
  Top Layer w20: U3.2@1222.31,1992.37 1321.97,1992.37 1335.36,1978.98
NetU1_18: U1.18 U2.2 | length 1551.2
  Top Layer w20: U2.2@1221.91,2572.68 1223.67,2570.93 1381.31,2570.93 v1(1382.27,2569.98) ; U1.18@2327,1945.26 2327.13,1945.13 2419.87,1945.13 v1(2420,1945)
  5v/3.3V w20: v1(1382.27,2569.98) 1475.02,2569.98 1830,2215 1950,2215 2220,1945 v1(2420,1945)
ON_OFF: IC2.42 R123.1 R126.1 | length 3781.1
  Top Layer w8: v1(3561.75,2935.5) 3565,2938.75 3565,2950 3830.5,3215.5 3958.73,3215.5 4107.85,3364.61 4134.61,3364.61 4283.73,3513.73 IC2.42@4377.73,3513.73
  Top Layer w20: v1(3570,2415) 3570,2390 3645,2315 3645,1765 3620,1740 3620,1190 3485,1055 R126.1@3485,457.24 R123.1@3625,457.24
  5v/3.3V w20: v1(3561.75,2935.5) 3561.75,2934.15 3570,2925.9 v1(3570,2415)
OSC_IN: C8.2 IC2.12 XTAL1.1 | length 544.4
  Top Layer w10: C8.2@3897.03,2764.52 4045.06,2764.52 XTAL1.1@4085.21,2804.67 4085.21,2927.04 4051.75,2960.5 4051.75,3128.69 IC2.12@4052.93,3129.87
OSC_OUT: C9.2 IC2.13 XTAL1.2 | length 635.4
  Top Layer w10: IC2.13@4072.62,3129.87 4072.62,3044.76 4070.5,3042.64 4070.5,2966.75 4232.58,2804.67 XTAL1.2@4277.34,2804.67 4316.71,2765.3 C9.2@4458.44,2765.3
OUT_A: R27.1 U17.7 | length 215.8
  Top Layer w20: R27.1@3535,5343.24 3538.94,5343.24 3616.69,5421 U17.7@3718.57,5421
OUT_B: R164.1 U17.5 | length 150.9
  Top Layer w20: R164.1@3624.76,5601 3624.76,5532.72 3636.47,5521 U17.5@3702.56,5521
PA5: IC2.30 R180.2 U1.6 | length 3192.9
  Top Layer w10: v1(2630,2095) 2630.13,2095.13 2698.91,2095.13 U1.6@2699.04,2095.26 2774.87,2095.26 2810.19,2130.58 R180.2@2810.19,2134.52 ; IC2.30@4377.73,3277.51 4378.98,3278.75 4436.25,3278.75 v1(4445,3270)
  24V w10: v1(2630,2095) 4330,2095 4445,2210 v1(4445,3270)
PA6: IC2.31 R124.2 U1.11 | length 2768.8
  Top Layer w10: U1.11@2301.41,2295.26 U1.11@2327,2295.26 2332.2,2295.26 2340,2303.06 R124.2@2340,2387.76 2336.06,2387.76 2315.47,2408.35 2315.47,2412.28 2255,2472.76 2255,2540 2990,3275 v1(3450,3275) ; v1(4235,3293) 4239.06,3293 4243.25,3297.19 IC2.31@4377.73,3297.19
  24V w10: v1(3450,3275) 3910.15,3275 3917.15,3268 3984.9,3268 3997.4,3255.5 4197.5,3255.5 v1(4235,3293)
PA8: IC2.67 R178.2 U1.2 | length 3039.7
  Top Layer w8: v1(3961.75,3680.5) 3991.58,3710.33 3991.58,3737.81 IC2.67@3993.88,3740.11
  Top Layer w10: v1(2636.02,1895) 2636.16,1895.13 2698.91,1895.13 U1.2@2699.04,1895.26 2776.45,1895.26 2788.16,1906.98 2792.1,1906.98 2810.19,1925.07 R178.2@2810.19,1929.01
  5v/3.3V w10: v1(2636.02,1895) 2861.02,2120 3595,2120 3740,2265 3740,3140 3974.5,3374.5 3974.5,3517.04 3960.5,3531.04 3960.5,3679.25 v1(3961.75,3680.5)
PSRAM_CLK: U4.28 U18.6 | length 1163.6
  Top Layer w15: v1(5959.72,4358.87) 5960.72,4357.87 5960.72,4263.87 U18.6@5961.72,4262.87 ; v1(6570,3820) 6570.85,3820 6617.03,3773.82 6617.03,3706.68 U4.28@6617.91,3705.79
  5v/3.3V w15: v1(5959.72,4358.87) 5959.72,4190.28 6330,3820 v1(6570,3820)
RESET: C16.2 IC2.14 J3.5 R20.1 SW2.2 SW2.3 | length 1351
  Top Layer w10: IC2.14@4092.3,3129.87 4092.3,2987.7 v1(4095,2985)
  Top Layer w20: SW2.3@3495.84,2487.35 SW2.2@3779.31,2487.35 3875.84,2487.35 R20.1@3881.75,2493.26 3887.75,2499.26 3889.51,2497.5 3924.03,2497.5 3935.75,2509.22 3935.75,2573.5 3942.72,2580.47 3975.54,2580.47 3982.81,2587.74 C16.2@3986.75,2587.74 ; C16.2@3996.75,2587.74 4049.64,2587.74 4076.02,2561.37 J3.5@4090.73,2561.37
  5v/3.3V w20: J3.5@4090.73,2561.37 4089.26,2562.83 4089.26,2630.74 4010,2710 4010,2960 4036.26,2986.26 4052.83,2986.26 4053.13,2985.96 4094.04,2985.96 v1(4095,2985)
RST: Q20.2 R137.1 | length 108.1
  Top Layer w10: R137.1@6248.11,5766.28 6252.36,5762.03 Q20.2@6345.67,5762.03 Q20.2@6351.87,5755.83
RXD0: IC2.69 J6.3 R54.1 | length 7971.6
  Top Layer w10: IC2.69@3954.51,3740.11 3955,3740.6 v1(3955,3814.5) ; v1(5030,4900) 5030,5000 6375,6345 7333.43,6345 J6.3@7340,6338.43 ; R54.1@7092.24,3590 7092.24,3589.55 7112.83,3568.96 v1(7181.04,3568.96)
  5v/3.3V w10: v1(7181.04,3568.96) 7065,3685 7065,5764.65 6955,5874.65 6955,6245 7055,6345 J6.3@7340,6345
  Bottom Layer w10: v1(3955,3814.5) 3955,4000 4855,4900 v1(5030,4900)
RXD3: IC2.48 J5.4 | length 5917.9
  Top Layer w10: v1(4239.5,3635) 4282.1,3635 4291.6,3625.5 4330.15,3625.5 4336.49,3631.84 IC2.48@4377.73,3631.84
  Top Layer w15: J5.4@1068.15,7540 1068.15,6291.85 3255,4105 v1(3315,4105)
  24V w10: v1(3315,4105) 4200,4105 4232,4073 4232,3640.86 4237.86,3635 v1(4239.5,3635)
SD0: U4.21 U18.2 | length 1179.3
  Top Layer w8: U4.21@6267.91,3705.79 6267.91,3853.08 6367.55,3952.72 6414.72,3952.72 U4.21@6428.43,3966.43
  Top Layer w15: U18.2@5911.72,3976.87 5911,3976.15 5910,3976.15 5910,3895 5930,3875 6065,3875 6130,3810 6130,3675 6180,3625 6245,3625 6268.41,3648.41 U4.21@6268.41,3707.7 ; U4.21@6428.43,3966.43 6504.27,3966.43 v1(6537.64,3999.8)
SD1: U4.22 U18.5 | length 1167.1
  Top Layer w8: U4.22@6317.91,3705.79 6317.91,3851.08 6369.55,3902.72 6414.72,3902.72 U4.22@6428.43,3916.43
  Top Layer w15: U18.5@6011.72,4262.87 6012.22,4263.37 6012.22,4325.37 v1(6012.72,4325.87) ; U4.22@6428.43,3916.43 6431.8,3919.8 v1(6532.64,3919.8)
  5v/3.3V w15: v1(6012.72,4325.87) 6080.35,4325.87 6090,4316.21 6090,4270 6440.2,3919.8 v1(6532.64,3919.8)
SD2: U4.17 U18.7 | length 1278
  Top Layer w10: U18.7@5911.72,4262.87 v1(5911.72,4324.87) 5911.72,4391.72 5960,4440 6305,4440 6318.41,4426.59 U4.17@6318.41,4376.99 ; U4.17@6317.91,4375.08 6317.91,4254.31 6392.07,4180.15 6414.72,4180.15 6428.43,4166.43 6531.01,4166.43 6587.64,4109.8 v1(6587.64,3892.8)
SD3: U4.18 U18.3 | length 1083
  Top Layer w8: v1(5961.25,3918.4) 5961.48,3918.63 5961.48,3976.63 U18.3@5961.72,3976.87 ; U4.18@6267.91,4375.08 6267.91,4254.31 6392.07,4130.15 6414.72,4130.15 6428.43,4116.43 6431.8,4119.8 v1(6492.64,4119.8)
  Bottom Layer w10: v1@5961.25,3912.87 v1(5961.25,3918.4) 6163.4,3918.4 6364.8,4119.8 v1(6492.64,4119.8)
SD_DET: D6.K IC2.59 J47.9 R113.1 | length 5695.6
  Top Layer w8: IC2.59@4151.36,3740.11 4151.55,3739.91 4151.55,3665.7 v1(4151.75,3665.5) ; v1(4945,3695) 4920,3720 4920,3950 4910,3960 4910,5100 5550,5740 5635,5740 6600,6705 6600,7326.61 6555.4,7371.2 6555.4,7375.14 R113.1@6533.81,7396.73 ; R113.1@6529.87,7396.73 R113.1@6533.81,7396.73 ; J47.9@6601.13,7555.28 6650,7506.41 D6.K@6650,7389.29 6642.56,7396.73 R113.1@6533.81,7396.73
  Bottom Layer w10: v1(4151.75,3665.5) 4180.58,3665.5 4195.58,3650.5 4220.35,3650.5 4264.85,3695 v1(4945,3695)
SPI1_MOSI: IC2.32 J60.3 | length 4784.6
  Top Layer w8: J60.3@1868.43,149.33 1865,152.76 1865,465 2410,1010 3160,1010 3515,1365 3515,2325 v1(3545,2355) ; v1(4189.28,3330.72) 4203.5,3316.5 4377.36,3316.5 IC2.32@4377.73,3316.88
  Bottom Layer w10: v1(3545,2355) 3545,2555 4050,3060 4050,3200.35 4113.75,3264.1 4122.66,3264.1 v1(4189.28,3330.72)
SPI1_SCK: 
SPI3_CS: R117.1 R166.2 R174.2 R175.1 R186.1 | length 5012.7
  Top Layer w8: R175.1@5805.35,7298.19 R175.1@5812.02,7291.52 ; R166.2@6293.66,3466.38 R166.2@6297.6,3466.38 ; R117.1@6472.02,7092.73 R117.1@6474.76,7090
  Top Layer w15: R175.1@5802.76,7299.65 R175.1@5805.35,7302.24 5808.01,7302.24 5826.1,7284.15 5826.1,7248.9 5855,7220 6425.51,7220 6438.48,7207.03 6444.67,7207.03 6461.63,7190.06 6461.63,7001.12 R174.2@6460.51,7000 6460,6999.49 v1(6460,6915) ; v1(6230,3465) 6292.28,3465 R166.2@6293.66,3466.38
  5v/3.3V w15: v1@6230,3460 6375,3460 6625,3710 6625,4691.82 6406,4910.82 6406,5741 6595,5930 6595,6780 v1(6460,6915)
SPI3_MISO: IC2.79 J47.7 R114.1 U4.14 | length 6776.3
  Top Layer w8: IC2.79@3767.5,3612.15 3800.08,3612.15 3802.9,3609.33 3816.57,3609.33 3830.9,3595 v1(3835.5,3595) ; v1(5215,4290) 5455,4530 6340,4530 6390,4480 v1(6390,4445) 6423.04,4445 6447.13,4420.92 6447.13,4419.93 6467.91,4399.14 U4.14@6467.91,4375.08 ; J47.7@6404.28,7555.28 6404.28,7413.48 6425.87,7391.89 R114.1@6426.44,7391.89
  5v/3.3V w8: v1@6388.64,4445.8 6388.64,4449.55 6375,4463.19 6375,7510.22 6404.28,7539.5 J47.7@6404.28,7555.28
  Bottom Layer w10: v1(3835.5,3595) 3911.31,3595 3922.81,3583.5 4139.23,3583.5 4184.23,3538.5 4333.5,3538.5 4415,3620 4955,3620 5195,3860 5195,4265 v1@5215,4285
SPI3_MOSI: IC2.80 J47.3 R116.1 U4.16 | length 6945.2
  Top Layer w8: IC2.80@3765.2,3594.77 IC2.80@3767.5,3592.47 3801.59,3592.47 3834.06,3560 v1(3835,3560) ; v1(5220,4245) 5479.8,4504.8 6260.2,4504.8 v1(6300,4465) 6335,4465 6354.69,4445.31 6354.69,4388.3 6372.64,4370.35 6372.64,4233.95 6377.32,4229.26 6415.6,4229.26 U4.16@6428.43,4216.43 ; J47.3@6010.58,7555.28 6010.58,7394.81 R116.1@6012.72,7392.68
  5v/3.3V w8: J47.3@6010.58,7555.28 6010,7554.69 6010,7340 6280,7070 6280,5779.65 6301.64,5758.01 v1@6301.64,4459.8
  Bottom Layer w10: v1(3835,3560) 4025.34,3560 4031.84,3566.5 4132.19,3566.5 4177.19,3521.5 4356.5,3521.5 4430,3595 4430,3597.14 4435.86,3603 4962.04,3603 5220,3860.96 v1(5220,4245)
SPI3_SCK: IC2.78 J47.5 R115.1 U4.13 | length 6829.3
  Top Layer w10: IC2.78@3767.5,3631.84 3767.99,3632.33 3812.14,3632.33 v1(3812.64,3632.83) ; J47.5@6207.43,7555.28 6322.87,7439.84 R115.1@6322.87,7396.73 ; v1(6440,4530) 6505.69,4464.31 6505.69,4389.71 U4.13@6518.41,4376.99
  24V w10: v1(5120,3995) 5690,4565 6405,4565 v1(6440,4530)
  Bottom Layer w10: v1(3812.64,3632.83) 3942.53,3632.83 3974.85,3600.5 4146.27,3600.5 4191.27,3555.5 4326.46,3555.5 4415.96,3645 4940,3645 5105,3810 5105,3980 v1(5120,3995) ; J47.5@6207.43,7555.28 6207.43,7223.29 6297,7133.73 6297,6163 6535,5925 6535,5475 6440,5380 v1(6440,4530)
SSR_2: IC2.45 R163.2 R176.1 | length 3763.3
  Top Layer w8: IC2.45@4377.73,3572.78 4380.03,3575.08 4462.53,3575.08 v1(4465,3577.55)
  Top Layer w10: v1(4605,3315) 4605,3215 5250,2570 5715,2570 6603.75,1681.25 6885.17,1681.25 6905.76,1660.66 R176.1@6905.76,1658 ; R163.2@6823,1431.49 6825,1433.49 6825,1648.06 6830.86,1653.91 6885.17,1653.91 R176.1@6903.76,1635.32
  5v/3.3V w10: v1(4465,3577.55) 4465,3455 v1(4605,3315)
SW_CLK: IC2.76 J3.3 R4.1 R9.2 | length 5084.1
  Top Layer w10: IC2.76@3750.18,3671.21 IC2.76@3767.5,3671.21 3813.94,3671.21 3960.15,3525 v1(4115,3525) ; v1(5375,2680) 5700,2680 6205,2175 6391.24,2175 R4.1@6393,2173.24
  Top Layer w20: J3.3@4190.73,2561.37 4192.6,2563.24 4192.6,2617.6 4235,2660 4367.68,2660 4429.86,2597.82 4433.8,2597.82 4449.39,2582.23 R9.2@4449.39,2578.3
  5v/3.3V w10: J3.3@4190.73,2561.37 4309.36,2680 v1(5375,2680)
  Bottom Layer w10: v1(4115,3525) 4116.95,3523.05 4116.95,3508.05 4183.94,3441.07 4250,3375 4417.5,3375 4442.5,3400 4610,3400 4700,3310 5070,3310 5375,3005 v1(5375,2680)
SW_DIO: IC2.72 J3.1 R7.2 | length 1642.3
  Top Layer w8: IC2.72@3895.45,3740.11 3895.45,3669.55 3940,3625 v1(3985,3625)
  Top Layer w20: J3.1@4290.73,2561.37 4377.34,2474.75 R7.2@4449.39,2474.75
  24V w10: v1(3985,3625) 4050,3560 v1(4050,3465)
  Bottom Layer w10: v1(4050,3465) 4065.24,3449.76 4065.65,3449.76 4080.41,3435 4145,3435 4270,3310 4270,2910 4340,2840 4340,2760 4290.73,2710.73 J3.1@4290.73,2561.37
TB: IC2.15 R76.1 | length 3583.3
  Top Layer w8: v1(4109.31,3187.94) 4111.87,3185.38 4111.87,3129.99 IC2.15@4111.99,3129.87
  Top Layer w10: R76.1@2710,510 2710,810 2815,915 3270,915 3560,1205 3560,2195 3600,2235 v1(3600,2281.5)
  Bottom Layer w10: v1(3600,2281.5) 4010,2691.5 4010,2980 4109.31,3079.31 v1(4109.31,3187.94)
TH1: IC2.16 J57.4 | length 5078.6
  Top Layer w8: IC2.16@4131.67,3129.87 4133.97,3132.17 4133.97,3172.72 v1(4141.75,3180.5) ; J57.4@4178.58,7477.64 4178.58,7376.42 4400,7155 4400,6325 4624,6101 4624,4228.37 4630,4222.37 4630,4062.6 v1(4630.5,4062.1)
  5v/3.3V w8: v1(4141.75,3180.5) 4625.5,3180.5 4690,3245 4690,3455 4663.5,3481.5 4663.5,4036.5 4652.46,4047.54 4649.67,4047.54 4635.1,4062.1 v1(4630.5,4062.1)
TH2: IC2.25 R81.1 | length 4927.3
  Top Layer w8: R81.1@2350.34,532.76 2328.75,511.17 R81.1@2326.76,511.17 2326.76,751.76 2530,955 3255,955 3520,1220 3520,1348.38 3530,1358.38 3530,2252.05 3534.69,2256.73 v1(3538.5,2256.73) ; IC2.25@4308.84,3129.87 4308.84,3112.55 4311.14,3110.25 4609.75,3110.25 4640,3080 v1(4645,3080)
  Bottom Layer w10: v1(3538.5,2256.73) 3540.23,2255 4490,2255 4659.5,2424.5 4659.5,2815.65 4645,2830.15 v1(4645,3080)
TMC_MISO: IC2.82 J66.2 R57.2 | length 6559
  Top Layer w8: 2975,2640 3390,2225 3390,1385 ; v1(3722.04,3552.04) 3722.57,3552.57 3766.97,3552.57 IC2.82@3767.5,3553.1
  Top Layer w10: J66.2@165,515 210,560 1825,560 2375,1110 3115,1110 3390,1385 ; 2975,2640 2975,2980 3022.24,3027.24 R57.2@3090,3027.24 3090,3090 3225,3225 v1(3300,3225)
  24V w8: v1(3305,3400) 3635,3400 3725,3490 3725,3549.07 v1(3722.04,3552.04)
  Bottom Layer w10: v1(3300,3225) 3300,3390.94 3305,3395.94 v1(3305,3400)
TMC_MOSI: IC2.61 J62.3 | length 5474.3
  Top Layer w8: J62.3@1293.43,139.33 1293.43,343.43 1445,495 1845,495 2385,1035 3145,1035 3500,1390 v1@3500,2345 ; IC2.61@4111.99,3740.11 4111.99,3693.92 4115.8,3690.1 v1(4115.8,3685.5)
  24V w8: v1(4015,3305) 4150,3440 4150,3545.85 4115.8,3580.05 v1(4115.8,3685.5)
  Bottom Layer w10: v1(3500,2350) 3500,2565 4015,3080 v1(4015,3305)
TMC_SCLK: IC2.81 J65.3 | length 6218.1
  Top Layer w8: J65.3@745,140 745,425 850,530 1845,530 2390,1075 3125,1075 3415,1365 v1(3415,2205) ; IC2.81@3767.5,3572.78 3769.8,3570.48 3795.59,3570.48 3802.12,3563.95 3802.12,3547.88 3816.69,3533.31 3853.37,3533.31 v1(3855.42,3535.36)
  Bottom Layer w10: v1(3415,2205) 3415,2257.5 3350,2322.5 3350,3505 3470,3625 3715,3625 3804.64,3535.36 v1(3855.42,3535.36)
TW1_SCK: J30.20 R25.1 U4.12 | length 2190
  Top Layer w8: R25.1@6451.75,4812.72 6565.63,4812.72 6567.91,4815 ; U4.12@6567.91,4375.08 6567.91,4815 ; v4(7120,5679.33) 7124.07,5675.26 7273.5,5675.26 J30.20@7273.76,5675.51 ; v1(7120,5750) 6705,5750 6573,5618 6573,4820.09 6567.91,4815
  5v/3.3V w8: v4(7120,5679.33) v1(7120,5750)
TW1_SDA: J30.22 R26.1 U4.11 | length 2078.8
  Top Layer w8: R26.1@6451.75,4914.72 6452.03,4915 v1(6549.5,4915) ; v1(6600.5,4915) 6617.91,4915 ; U4.11@6617.91,4375.08 6617.91,4915 ; J30.22@7273.76,5714.88 6759.88,5714.88 6617.91,5572.91 6617.91,4915
  Bottom Layer w10: v1(6549.5,4915) v1(6600.5,4915)
TXD0: IC2.68 J6.4 R56.1 | length 7669.8
  Top Layer w10: IC2.68@3974.19,3740.11 3974.88,3740.79 3974.88,3775.23 3985,3785.35 3985,3831.64 3982.87,3833.77 3982.87,3842.13 v1(3980,3845) ; v1(4974.82,4870.18) 4974.82,4974.82 6443.43,6443.43 7333.43,6443.43 J6.4@7340,6436.85 ; R56.1@6905,3490.51 6905.51,3490 v1(6975,3490)
  5v/3.3V w10: v1(4974.82,4870.18) 4974.82,4835.18 5975,3835 5975,3500 6130,3345 6830,3345 v1(6975,3490)
  Bottom Layer w10: v1(3980,3845) 3980,3980 4870.18,4870.18 v1(4974.82,4870.18)
TXD3: IC2.47 J5.3 | length 5957.3
  Top Layer w12: v4(4275,3606) 4276.5,3607.5 4337.6,3607.5 4341.96,3611.85 4377.44,3611.85 IC2.47@4377.73,3612.15
  Top Layer w15: J5.3@1166.57,7540 1166.57,7491.57 1095,7420 1095,6300 3255,4140 v1(3310,4140)
  24V w12: v1(3310,4140) 4230,4140 4250,4120 4250,3740 4275,3715 v4(4275,3606)
U2RXD: R33.2 R55.2 U18.1 | length 261.9
  Top Layer w15: U18.1@5861.72,3976.87 5865,3973.58 R55.2@5865,3826.39 ; R55.2@5876.47,3817.87 5860,3801.39 5860,3734.89 5862.03,3732.87 R33.2@5879.47,3732.87
USB1_CPU_N: IC2.53 R15.1 | length 3208.2
  Top Layer w10: IC2.53@4269.47,3740.11 4270.77,3741.41 4270.77,3764.26 4270.85,3764.34 4270.85,3768.7 4291.12,3788.97 4491.99,3788.97 4535,3831.98 v1(4535,3865) ; v1(5275,3695) 5473.4,3496.6 5483.4,3496.6 5678.94,3301.07 5678.94,3291.07 6075,2895 6260,2895 6345,2980 6345,3217.39 6350.86,3223.24 R15.1@6703,3223.24
  24V w10: v1(4535,3865) 4539.06,3865 4545.05,3870.99 4994.01,3870.99 5170,3695 v1(5275,3695)
USB1_CPU_P: IC2.54 R14.1 | length 3204
  Top Layer w10: IC2.54@4249.78,3740.11 4249.78,3779.78 4310,3840 4400,3840 4492.5,3932.5 4517.5,3932.5 v1(4520,3935) ; v1(5165,3740) 6080,2825 6750,2825 6813,2888 R14.1@6813,2938.95
  24V w10: v1(4520,3935) 4970,3935 v1(5165,3740)
USB1_N: J4.03 R15.2 R16.2 | length 255.9
  Top Layer w10: R15.2@6703,3128.76 R16.2@6813,3128.76 6822.02,3137.77 6863.57,3137.77 J4.03@6928.31,3073.03
USB1_P: J4.02 R14.2 R17.2 | length 238.9
  Top Layer w10: R17.2@6703,3024.24 R14.2@6813,3024.24 cw(c6816.81,3015) 6816.84,3025 6898.96,3025 6928.31,2995.65 J4.02@6928.31,2994.29
USB2_N: J2.3 R8.2 R11.2 | length 551.5
  Top Layer w30: R11.2@6620.35,2274.78 6724.42,2274.78 6969.22,2274.78 6988,2256 6988,2186 J2.3@6913,2111
USB2_P: J2.2 R6.2 R12.2 | length 408.5
  Top Layer w10: R12.2@6508,2078.76 R12.2@6510.76,2076
  Top Layer w20: R12.2@6510.76,2076 6511.76,2077 v1(6551,2077) v1@6551.96,2077.96 ; v1(6720,2030) 6730,2040 6730,2073.17 R6.2@6724.42,2078.76
  Top Layer w30: R6.2@6727.09,2082.57 6798.94,2082.57 6827.38,2111 J2.2@6834.26,2111
  5v/3.3V w20: v1(6551,2077) 6598,2030 v1(6720,2030)